# Altium PCB gaze_led_through_hole_daughtercard.PcbDoc (part 2 of 2)
Units mm, origin at the board's own origin, x right, y up, seen from the top; angles counter-clockwise.
Board outline 138 x 51 mm, 4 copper layers (Top Layer, L2, L3, Bottom Layer), stack 1.603 mm thick; 95 components, 89 nets, 297 pads, 441 vias.
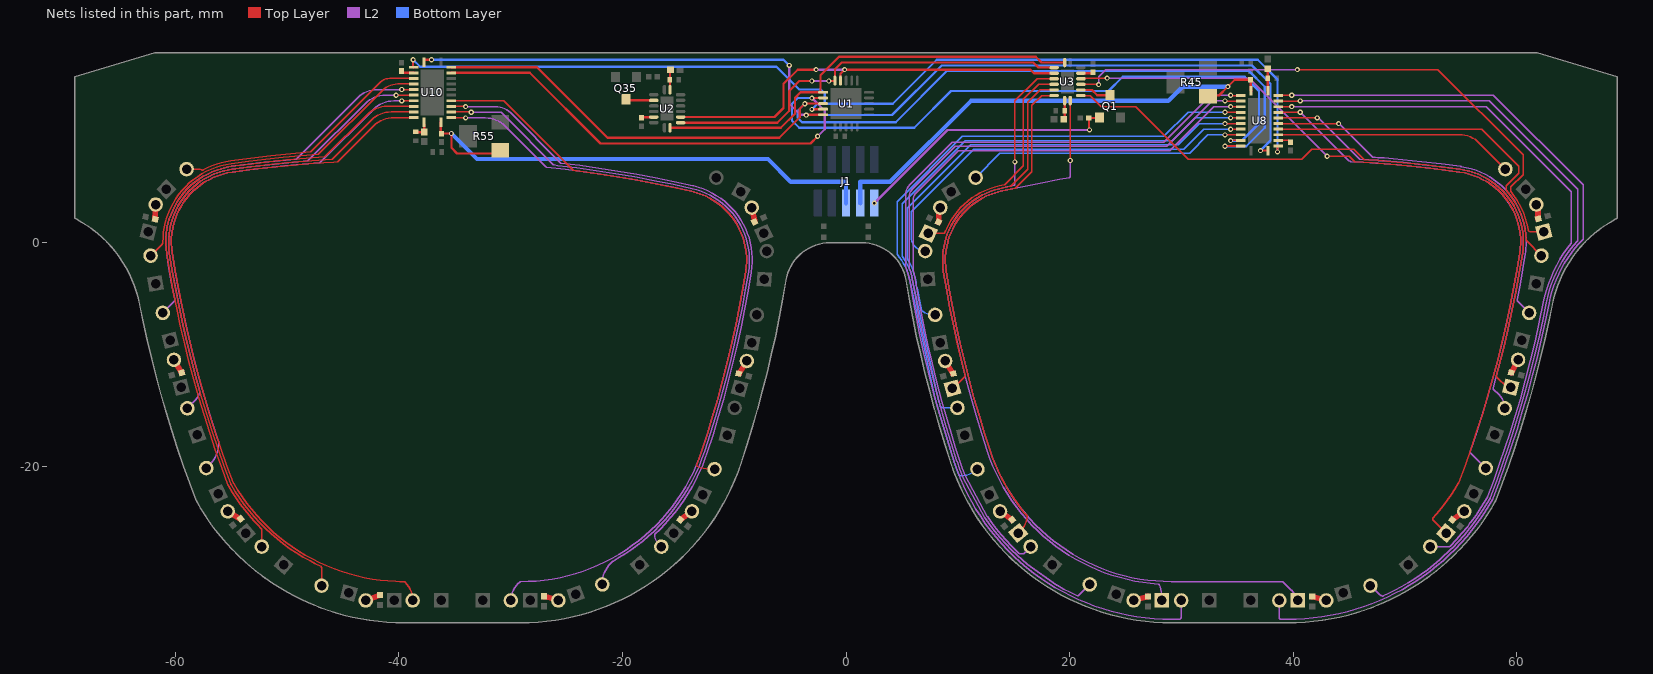
[diagram p4: the nets of this part, all layers, seen from the top]

## Via types
v1: diameter 0.457, hole 0.229, Top Layer to Bottom Layer, tented both sides, 417 vias
v2: diameter 0.457, hole 0.229, Top Layer to Bottom Layer, 20 vias
v3: diameter 0.5, hole 0.2, Top Layer to Bottom Layer, tented both sides, 4 vias

## Nets (pads, with @x,y where several pads share a name; then routed paths per layer and width w, separated by ;. In a path a pad name is that pad's centre, name@x,y a point inside that pad or via, vN(x,y) a via of type N, cw(c..) or ccw(c..) an arc to the next point about the centre after c; other vN are vias at no path point) (continued)
LEFT_NIR_PT_4: Q10.2 U10.5 | length 53.6
  Top Layer w0.127: U10.5@-35.315,12.712 -30.619,12.712 -29.464,11.557 -24.438,6.531 ccw(c-24.003,6.963) -24.416,6.51 ccw(c-24.331,6.604) -24.349,6.479 ; -24.117,6.448 ccw(c-39.064,-106.875) -24.348,6.479 ; Q10.2@-11.763,-20.249 -12.227,-20.249 cw(c-12.227,-17.709) -13.299,-20.012 cw(c-13.245,-19.897) -13.362,-19.849 ccw(c-29.119,-13.224) -12.89,-18.588 ccw(c-111.661,14.057) -10.813,-11.461 ccw(c-111.661,14.057) -8.973,-2.575 ccw(c-15.208,-1.556) -13.812,4.606 -13.823,4.608 ccw(c-39.064,-106.875) -24.349,6.479
LEFT_NIR_PT_5: Q12.2 U10.4 | length 60.8
  Top Layer w0.127: U10.4@-35.315,12.212 -34.084,12.212 cw(c-34.084,12.144) v1(-34.036,12.192)
  L2 w0.127: v1(-34.036,12.192) -31.371,12.192 cw(c-31.371,10.271) -30.013,11.629 -25.519,7.136 cw(c-39.064,-106.875) -13.703,5.102 cw(c-15.208,-1.556) -13.632,5.085 cw(c-15.208,-1.556) -8.47,-2.645 cw(c-111.661,14.057) -12.407,-18.745 cw(c-29.119,-13.224) -17.109,-26.091 ccw(c-15.878,-26.091) -16.749,-26.961 Q12.2@-16.527,-27.184
LEFT_NIR_PT_6: Q14.2 U10.3 | length 65.6
  Top Layer w0.127: U10.3@-35.315,11.712 -33.596,11.712 cw(c-33.596,11.616) v1(-33.528,11.684)
  L2 w0.127: v1(-33.528,11.684) -31.588,11.684 -30.861,11.684 -30.347,11.17 -26.182,7.005 -26.154,6.977 -26.114,6.97 -25.801,6.913 cw(c-39.064,-106.875) -13.758,4.854 cw(c-15.208,-1.556) -8.72,-2.605 ; Q14.2@-21.807,-30.566 -21.807,-30.479 cw(c-19.267,-30.479) -21.063,-28.683 -20.87,-28.49 cw(c-20.781,-28.581) -20.842,-28.469 ccw(c-29.119,-13.224) -17.686,-26.27 ccw(c-29.119,-13.224) -12.648,-18.666 ccw(c-111.661,14.057) -8.721,-2.606
LEFT_NIR_PT_7: Q16.2 U10.2 | length 72.8
  Top Layer w0.127: U10.2@-35.315,11.212 ccw(c-35.228,11.299) -35.228,11.176 v1(-34.036,11.176)
  L2 w0.127: v1(-34.036,11.176) -32.271,11.176 cw(c-32.271,8.636) -30.475,10.432 -26.846,6.803 ; Q16.2@-29.98,-32 cw(c-27.863,-32) -29.36,-30.503 -29.211,-30.354 cw(c-29.122,-30.445) -29.122,-30.318 ccw(c-29.119,-13.224) -22.201,-28.855 ccw(c-29.119,-13.224) -12.889,-18.587 ccw(c-111.661,14.057) -8.971,-2.565 ccw(c-15.208,-1.556) -13.812,4.606 ccw(c-39.064,-106.875) -26.771,6.767 cw(c-26.756,6.893) -26.845,6.802
LEFT_NIR_PT_8: Q3.2 U10.23 | length 69.6
  Top Layer w0.127: Q3.2@-38.77,-32 ccw(c-41.093,-32) -39.453,-30.354 ccw(c-39.543,-30.444) -39.542,-30.317 cw(c-39.524,-12.662) -40.283,-30.301 cw(c-39.524,-12.662) -54.798,-21.518 cw(c-54.522,-21.361) -54.819,-21.472 cw(c40.965,14.979) -60.282,-0.91 cw(c-54.04,0.069) -54.909,6.326 cw(c-39.064,-106.875) -45.814,7.23 -45.502,7.249 ccw(c-45.509,7.376) -45.42,7.285 -42.237,10.468 cw(c-40.441,8.672) -40.441,11.212 U10.23@-38.685,11.212
LEFT_NIR_PT_9: Q5.2 U10.22 | length 62.6
  Top Layer w0.127: Q5.2@-46.927,-30.671 -46.927,-29.14 ccw(c-48.444,-29.14) -46.93,-29.042 ccw(c-47.057,-29.05) -47.003,-28.935 cw(c-39.524,-12.662) -47.951,-28.465 cw(c-39.524,-12.662) -55.019,-21.644 cw(c-54.798,-21.518) -55.021,-21.639 cw(c-54.522,-21.361) -55.057,-21.562 cw(c40.965,14.979) -60.533,-0.945 cw(c-54.04,0.069) -54.949,6.577 cw(c-39.064,-106.875) -45.988,7.474 -42.494,10.968 cw(c-40.698,9.172) -40.698,11.712 U10.22@-38.685,11.712
LEFT_NIR_PT_10: Q7.2 U10.21 | length 57.5
  Top Layer w0.127: Q7.2@-52.07,-26.694 cw(c-52.763,-26.694) Q7.2@-52.273,-27.184 -52.273,-25.652 ccw(c-52.4,-25.653) -52.31,-25.563 cw(c-39.524,-12.662) -52.973,-24.87 cw(c-39.524,-12.662) -55.24,-21.769 cw(c-54.522,-21.361) -55.295,-21.652 cw(c40.965,14.979) -60.784,-0.983 cw(c-54.04,0.069) -54.984,6.829 cw(c-39.064,-106.875) -46.622,7.689 -42.843,11.468 cw(c-41.047,9.672) -41.047,12.212 U10.21@-38.685,12.212
LEFT_NIR_PT_11: Q9.2 U10.20 | length 48.6
  Top Layer w0.127: v1(-39.751,12.7) cw(c-39.722,12.671) -39.722,12.712 U10.20@-38.685,12.712 U10.20@-38.691,12.706
  L2 w0.127: Q9.2@-57.237,-20.149 -56.878,-19.79 ccw(c-58.674,-17.994) -56.134,-17.994 -56.134,-17.831 ; -56.134,-17.83 ccw(c-56.261,-17.832) -56.141,-17.791 -56.214,-17.573 cw(c40.965,14.979) -60.281,-0.911 cw(c-54.04,0.069) -54.915,6.325 ; -54.914,6.325 cw(c-39.064,-106.875) -47.073,7.149 -42.266,11.956 cw(c-40.47,10.16) -40.47,12.7 v1(-39.751,12.7)
LEFT_NIR_PT_12: Q11.2 U10.19 | length 43.6
  Top Layer w0.127: v1(-40.259,13.208) -38.689,13.208 U10.19@-38.685,13.212
  L2 w0.127: Q11.2@-58.934,-14.807 -58.401,-14.274 ccw(c-60.23,-12.446) -57.819,-13.38 ccw(c-57.938,-13.334) -57.815,-13.301 -58.171,-11.993 cw(c40.965,14.979) -60.533,-0.944 cw(c-54.04,0.069) -54.949,6.577 cw(c-39.064,-106.875) -48.14,7.324 -42.999,12.464 cw(c-41.203,10.668) -41.203,13.208 v1(-40.259,13.208)
LEFT_NIR_PT_13: Q13.2 U10.18 | length 35.4
  Top Layer w0.127: v1(-39.751,13.716) -39.747,13.712 U10.18@-38.685,13.712 U10.18@-38.687,13.714
  L2 w0.127: Q13.2@-61.129,-6.273 -60.084,-5.228 ccw(c-60.174,-5.139) -60.05,-5.115 cw(c40.965,14.979) -60.111,-4.806 cw(c40.965,14.979) -60.784,-0.983 cw(c-54.04,0.069) -54.983,6.829 cw(c-39.064,-106.875) -49.183,7.491 -43.701,12.972 cw(c-41.905,11.176) -41.905,13.716 v1(-39.751,13.716)
LEFT_NIR_PT_14: Q15.2 U10.17 | length 30.7
  Top Layer w0.127: Q15.2@-62.221,-1.149 -61.188,-0.117 ccw(c-61.432,0.127) -61.138,-0.054 ccw(c-61.247,0.012) -61.12,0.013 cw(c-54.04,0.069) -55.017,7.08 cw(c-38.419,-111.485) -47.204,7.914 -41.458,13.66 cw(c-40.125,12.327) -40.125,14.212 U10.17@-38.685,14.212
LEFT_NIR_PT_15: Q17.2 U10.16 | length 23.2
  Top Layer w0.127: Q17.2@-59.002,6.598 -58.003,6.598 cw(c-58.003,5.751) -57.641,6.517 ccw(c-57.587,6.632) -57.528,6.52 cw(c-54.04,0.069) -55.051,7.332 cw(c-37.41,-118.69) -47.877,8.13 -41.616,14.391 cw(c-40.841,13.615) -40.841,14.712 U10.16@-38.685,14.712
LEFT_NIR_PT_OUTPUT: J1.5 R54.1 R55.1 U10.1 | length 47
  Top Layer w0.203: R54.1@-36.316,9.779 -36.25,9.845 U10.1@-36.25,10.777 ; R54.1@-36.195,9.773 -35.306,9.773 -35.306,8.509 -34.798,8.001 -31.283,8.001 R55.1@-30.882,8.402
  Bottom Layer w0.381: v1(-35.306,9.779) -33.02,7.493 -6.985,7.493 -4.953,5.461 0,5.461 J1.5@0,3.55
MUX_LED_S0: U1.9 U2.11 U3.11 | length 37.7
  Top Layer w0.203: U2.11@-14.8,11.25 -6.403,11.25 -5.588,12.065 -5.588,14.224 -4.318,15.494 v1(-2.667,15.494) ; U1.9@-0.492,14.514 -0.492,15.129 v1(-0.127,15.494) 16.51,15.494 16.825,15.179 U3.11@18.616,15.179
  L2 w0.203: v1(-2.667,15.494) v1(-0.127,15.494)
MUX_LED_S1: U1.10 U2.10 U3.10 | length 37.5
  Top Layer w0.203: U2.10@-14.8,10.75 -6.141,10.75 -5.08,11.811 -5.08,13.589 -4.191,14.478 v1(-3.048,14.478) ; v1(-1.524,14.478) -1.014,14.478 -0.992,14.5 U1.10@-0.992,14.514 -0.987,14.519 -0.987,15.523 -0.381,16.129 16.764,16.129 17.214,15.679 U3.10@18.616,15.679
  L2 w0.203: v1(-3.048,14.478) v1(-1.524,14.478)
MUX_LED_S2: U1.11 U2.9 U3.9 | length 40.1
  Top Layer w0.203: U2.9@-15.75,10.3 -5.829,10.3 -4.572,11.557 -4.572,12.954 -4.062,13.464 U1.11@-2.264,13.464 ; U1.11@-2.042,13.464 U1.11@-2.264,13.464 ; U3.9@19.566,16.129 17.485,16.129 16.977,16.637 -0.635,16.637 -2.286,14.986 -2.286,13.486 U1.11@-2.264,13.464
MUX_PT_S0: U1.12 U8.10 U10.10 | length 95.8
  Top Layer w0.127: v1(34.417,9.144) 34.431,9.158 35.301,9.158 U8.10@35.315,9.172
  Top Layer w0.203: U10.10@-35.315,15.212 -28.293,15.212 -21.971,8.89 -3.175,8.89 v1(-2.534,9.531) ; v1(-3.048,12.954) -3.043,12.959 -2.047,12.959 U1.12@-2.042,12.964
  L2 w0.203: v1(-3.048,12.954) -1.905,11.811 -1.905,10.16 v1(-2.534,9.531)
  Bottom Layer w0.203: v1(-3.048,12.954) -4.318,12.954 -4.826,12.446 -4.826,10.922 -4.191,10.287 6.096,10.287 9.398,13.589 23.495,13.589 24.765,14.859 35.687,14.859 36.957,13.589 36.957,10.668 35.433,9.144 v1(34.417,9.144)
MUX_PT_S1: U1.13 U8.11 U10.11 | length 92.9
  Top Layer w0.127: v1(33.909,8.636) v1@33.927,8.654 ; U8.11@35.297,8.654 U8.11@35.315,8.672
  Top Layer w0.203: U10.11@-35.315,15.712 -27.65,15.712 -21.336,9.398 -5.969,9.398 -4.14,11.227 -4.14,11.989 v1(-3.683,12.446) -3.674,12.455 -2.051,12.455 U1.13@-2.042,12.464 ; v1@33.927,8.654 U8.11@35.297,8.654
  Bottom Layer w0.203: v1(-3.683,12.446) -4.318,11.811 -4.318,11.176 -3.937,10.795 4.445,10.795 9.017,15.367 36.068,15.367 37.465,13.97 37.465,10.287 35.814,8.636 v1(33.909,8.636)
MUX_PT_S2: U1.14 U8.14 U10.14 | length 92
  Top Layer w0.127: U8.14@38.608,8.605 38.674,8.672 U8.14@38.685,8.672
  Top Layer w0.203: v1(-38.735,16.383) -38.735,15.74 -38.707,15.712 U10.14@-38.685,15.712 ; v1(-3.048,11.938) -3.031,11.955 -2.051,11.955 U1.14@-2.042,11.964 ; v1(38.608,8.128) U8.14@38.608,8.605
  Bottom Layer w0.203: v1(-38.735,16.383) -38.1,15.748 -6.223,15.748 -4.191,13.716 -2.286,13.716 -1.905,13.335 -1.905,12.446 ; v1(-3.048,11.938) -2.54,12.446 -1.905,12.446 ; v1(38.608,8.128) 38.608,14.605 36.83,16.383 8.128,16.383 4.191,12.446 -1.905,12.446
MUX_PT_S3: U1.15 U8.13 U10.13 | length 91.1
  Top Layer w0.127: U8.13@37.732,8.255 U8.13@37.75,8.237
  Top Layer w0.203: U10.13@-37.75,16.147 -37.75,16.355 -37.722,16.383 v1(-37.084,16.383) ; v1(-3.556,11.43) -3.531,11.455 -2.051,11.455 U1.15@-2.042,11.464 ; v1(37.084,8.255) U8.13@37.732,8.255
  L2 w0.203: v1(-5.08,15.875) -5.08,12.446 -4.089,11.455 -3.581,11.455 v1(-3.556,11.43)
  Bottom Layer w0.203: v1(-37.084,16.383) -5.588,16.383 v1(-5.08,15.875) ; v1(-3.556,11.43) 4.115,11.43 8.56,15.875 36.322,15.875 37.973,14.224 37.973,9.144 v1(37.084,8.255)
NetC2_1: C2.1 FB1.2 U3.16 | length 1.7
  Top Layer w0.203: FB1.2@19.479,11.049 19.566,11.136 U3.16@19.566,12.729
NetC9_1: C9.1 FB8.2 U8.24 | length 1.9
  Top Layer w0.203: FB8.2@37.646,15.494 37.725,15.415 C9.1@37.725,14.732 37.737,14.72 37.737,13.62 U8.24@37.75,13.607
NetC12_1: C12.1 FB9.2 U10.24 | length 1.6
  Top Layer w0.203: C12.1@-38.46,9.884 -37.904,9.884 FB9.2@-37.719,9.906 -37.726,10.112 -37.726,10.449 U10.24@-37.75,10.777
NetC13_1: C13.1 FB10.2 U2.16 | length 1.8
  Top Layer w0.203: U2.16@-15.75,13.7 -15.75,14.605 -15.75,15.46 FB10.2@-15.716,15.494
NetD1_2: D1.2 R46.2 | length 1.3
  Top Layer w0.508: D1.2@-8.437,3.151 -8.176,1.952 -8.166,1.905 R46.2@-8.176,1.877
NetD2_2: D2.2 R47.2 | length 1.3
  Top Layer w0.508: R47.2@-9.579,-11.695 -9.553,-11.68 D2.2@-8.871,-10.573
NetD3_2: D3.2 R48.2 | length 1.3
  Top Layer w0.508: R48.2@-14.835,-24.782 -14.805,-24.78 D3.2@-13.784,-24.027
NetD4_2: D4.2 R49.2 | length 1.3
  Top Layer w0.508: R49.2@-27.005,-31.623 -26.984,-31.644 D4.2@-25.73,-32
NetD5_2: D5.2 R50.2 | length 1.4
  Top Layer w0.508: D5.2@-42.97,-32 -41.708,-31.534 R50.2@-41.687,-31.513
NetD6_2: D6.2 R51.2 | length 1.3
  Top Layer w0.508: D6.2@-55.316,-24.027 -54.198,-24.692 R51.2@-54.169,-24.695
NetD7_2: D7.2 R52.2 | length 1.3
  Top Layer w0.508: D7.2@-60.129,-10.473 -59.47,-11.595 R52.2@-59.444,-11.61
NetD8_2: D8.2 R53.2 | length 1.3
  Top Layer w0.508: R53.2@-61.804,2.099 -61.818,2.125 D8.2@-61.771,3.427
NetD9_2: D9.2 R31.2 | length 1.4
  Top Layer w0.508: R31.2@8.282,1.842 8.31,1.87 8.31,3.024 D9.2@8.437,3.151
NetD10_2: D10.2 R32.2 | length 1.3
  Top Layer w0.508: D10.2@8.871,-10.573 9.553,-11.68 R32.2@9.579,-11.695
NetD11_2: D11.2 R33.2 | length 1.3
  Top Layer w0.508: D11.2@13.784,-24.027 14.836,-24.774 R33.2@14.866,-24.777
NetD12_2: D12.2 R34.2 | length 1.3
  Top Layer w0.508: D12.2@25.73,-32 26.991,-31.658 R34.2@27.012,-31.637
NetD13_2: D13.2 R35.2 | length 1.3
  Top Layer w0.508: R35.2@41.714,-31.655 41.735,-31.676 D13.2@42.97,-32
NetD14_2: D14.2 R37.2 | length 1.3
  Top Layer w0.508: R37.2@54.251,-24.788 54.28,-24.786 D14.2@55.316,-24.027
NetD15_2: D15.2 R38.2 | length 1.3
  Top Layer w0.508: R38.2@59.528,-11.606 59.554,-11.591 D15.2@60.129,-10.473
NetD16_2: D16.2 R39.2 | length 1.3
  Top Layer w0.508: D16.2@61.771,3.427 cw(c61.407,3.062) 61.922,3.062 R39.2@61.922,2.17
NetQ1_3: Q1.3 U3.3 | length 2.8
  Top Layer w0.203: U3.3@21.016,13.679 22.008,13.679 22.479,13.208 Q1.3@23.622,13.208
NetQ35_3: Q35.3 U2.3 | length 2.5
  Top Layer w0.203: Q35.3@-19.685,12.843 -19.592,12.75 U2.3@-17.2,12.75
NetR1_1: R1.1 U3.6 | length 1.2
  Top Layer w0.203: U3.6@21.016,15.179 22.098,15.179 R1.1@22.098,15.252
NetR36_2: R36.2 U8.15 | length 1.1
  Top Layer w0.127: U8.15@38.685,9.172 39.59,9.172 R36.2@39.751,9.011
NetR56_1: R56.1 U2.6 | length 1.1
  Top Layer w0.203: R56.1@-18.288,11.176 -18.233,11.231 -17.219,11.231 U2.6@-17.2,11.25
NetR57_2: R57.2 U10.15 | length 1.1
  Top Layer w0.203: R57.2@-39.751,15.373 -39.751,15.348 -39.615,15.212 U10.15@-38.685,15.212
RIGHT_NIR_LED_0: D9.1 U3.13 | length 20.3
  Top Layer w0.127: D9.1@7.363,0.849 8.733,0.849 ccw(c8.733,0.976) 8.851,0.929 ; 8.851,0.929 cw(c15.208,-1.556) 8.994,1.269 cw(c15.208,-1.556) 13.714,5.104 cw(c39.372,-108.236) 14.195,5.212 15.875,6.892 15.875,12.827 17.227,14.179 U3.13@18.616,14.179
RIGHT_NIR_LED_1: D10.1 U3.14 | length 33
  Top Layer w0.127: D10.1@9.529,-13.027 10.013,-12.569 ccw(c9.98,-12.446) 10.07,-12.536 10.621,-11.985 ccw(c10.531,-11.896) 10.654,-11.865 cw(c111.661,14.057) 9.975,-9.059 cw(c111.661,14.057) 8.72,-2.601 cw(c15.208,-1.556) 13.768,4.856 cw(c39.372,-108.236) 14.719,5.067 16.256,6.604 16.256,12.573 17.362,13.679 U3.14@18.616,13.679
RIGHT_NIR_LED_2: D11.1 U3.15 | length 46.3
  Top Layer w0.127: D11.1@15.416,-25.973 15.81,-25.53 ccw(c13.834,-24.13) 16.225,-24.513 ccw(c16.1,-24.495) 16.196,-24.412 cw(c29.119,-13.224) 15.652,-23.75 cw(c29.119,-13.224) 12.889,-18.587 cw(c111.661,14.057) 8.971,-2.561 cw(c15.208,-1.556) 13.814,4.606 cw(c39.064,-106.874) 15.161,4.903 ccw(c15.134,5.027) 15.221,4.934 ccw(c14.402,5.791) 15.24,4.953 16.637,6.35 16.637,12.319 17.497,13.179 U3.15@18.616,13.179
RIGHT_NIR_LED_3: D12.1 U3.12 | length 61.8
  Top Layer w0.127: v1(15.113,7.239) 15.113,12.7 17.092,14.679 U3.12@18.616,14.679
  L2 w0.127: v1(15.113,7.239) 15.113,5.207 cw(c14.986,5.208) 15.098,5.149 ccw(c39.064,-106.874) 13.758,4.854 ccw(c15.208,-1.556) 8.72,-2.601 ccw(c111.661,14.057) 12.643,-18.651 ccw(c29.119,-13.224) 26.552,-30.38 ccw(c29.119,-13.224) 27.916,-30.53 ; 27.917,-30.53 cw(c27.907,-30.656) 28.02,-30.599 cw(c25.799,-31.682) 28.255,-31.413 D12.1@28.27,-32
RIGHT_NIR_LED_4: D13.1 U3.1 | length 72.8
  Top Layer w0.127: v1(20.066,7.366) U3.1@20.066,12.729
  L2 w0.127: v1(20.066,7.366) 20.066,5.918 19.992,5.844 19.961,5.825 19.141,5.68 ccw(c39.064,-106.874) 13.813,4.606 ccw(c15.208,-1.556) 8.971,-2.562 ccw(c111.661,14.057) 12.889,-18.587 ccw(c29.119,-13.224) 29.119,-30.318 39.028,-30.318 cw(c39.027,-30.445) 39.097,-30.338 39.099,-30.34 cw(c39.029,-30.446) 39.119,-30.356 39.859,-31.096 ; 39.86,-31.097 cw(c39.769,-31.185) 39.866,-31.103 40.109,-31.391 cw(c40.011,-31.473) D13.1@40.124,-31.413 ; D13.1@40.124,-31.413 D13.1@40.43,-32
RIGHT_NIR_LED_5: D14.1 U3.5 | length 74.2
  Top Layer w0.127: U3.5@21.016,14.679 21.043,14.706 23.342,14.706 v1(23.368,14.732) ; v1(43.053,7.747) 45.019,7.747 45.519,7.247 cw(c39.064,-106.874) 54.915,6.325 cw(c54.04,0.069) 60.281,-0.913 cw(c-40.965,14.979) 54.819,-21.474 cw(c54.522,-21.361) 54.796,-21.522 cw(c39.524,-12.662) 53.078,-23.976 cw(c39.524,-12.662) 52.512,-24.622 ccw(c52.606,-24.707) 52.505,-24.785 ccw(c53.184,-24.257) 52.577,-24.866 52.941,-25.23 D14.1@53.684,-25.973
  L2 w0.127: v1(23.368,14.732) 36.068,14.732 v1(43.053,7.747)
RIGHT_NIR_LED_6: D15.1 U3.2 | length 60.4
  Top Layer w0.127: U3.2@21.016,13.179 21.873,13.179 22.86,12.192 25.908,12.192 30.607,7.493 40.767,7.493 41.656,8.382 45.43,8.382 46.36,7.451 cw(c39.064,-106.874) 48.792,7.27 cw(c39.064,-106.874) 54.949,6.577 cw(c54.04,0.069) 60.532,-0.951 cw(c-40.965,14.979) 58.46,-10.91 cw(c-40.965,14.979) 58.201,-11.883 ccw(c58.324,-11.916) 58.233,-12.005 58.506,-12.278 ccw(c58.595,-12.188) 58.508,-12.28 58.904,-12.659 ccw(c58.992,-12.567) 58.939,-12.682 D15.1@59.471,-12.927
RIGHT_NIR_LED_7: D16.1 U3.4 | length 53.2
  Top Layer w0.127: U3.4@21.016,14.179 21.028,14.167 22.596,14.167 v1(22.608,14.155) ; v1(40.386,15.494) 52.959,15.494 60.579,7.874 60.579,6.096 59.486,5.003 59.486,4.592 cw(c54.04,0.069) 60.914,1.765 cw(c54.04,0.069) 61.04,1.129 ccw(c61.165,1.149) 61.107,1.036 ccw(c61.37,1.553) 61.37,0.973 61.788,0.973 ccw(c61.787,1.1) 61.82,0.978 62.088,0.973 D16.1@62.429,0.973
  L2 w0.127: v1(22.608,14.155) 22.608,14.861 23.241,15.494 v1(40.386,15.494)
  Bottom Layer w0.203: D16.1@62.429,0.973 D16.1@62.738,1.283
RIGHT_NIR_LED_ON: J1.1 Q1.1 R2.2 | length 24
  Top Layer w0.203: v2(21.788,10.096) 21.749,10.135 21.749,11.138 R2.2@21.711,11.176 22.64,11.176 Q1.1@22.672,11.208
  L2 w0.203: v2(2.54,3.556) 9.08,10.096 v2(21.788,10.096)
RIGHT_NIR_PT_0: Q18.2 U8.9 | length 25.3
  Top Layer w0.127: v1(33.909,9.652) cw(c33.957,9.604) 33.957,9.672 U8.9@35.315,9.672
  Bottom Layer w0.127: Q18.2@11.6,5.835 13.766,8.001 30.734,8.001 32.385,9.652 v1(33.909,9.652)
RIGHT_NIR_PT_1: Q20.2 U8.8 | length 36.8
  Top Layer w0.127: v1(34.417,10.16) 35.286,10.16 ccw(c35.286,10.201) U8.8@35.315,10.172
  Bottom Layer w0.127: Q20.2@7.089,-0.735 7.085,-0.735 cw(c7.085,0.508) 5.842,0.508 5.842,2.794 11.43,8.382 30.226,8.382 32.004,10.16 v1(34.417,10.16)
RIGHT_NIR_PT_2: Q22.2 U8.7 | length 43.6
  Top Layer w0.127: v1(33.909,10.668) 35.311,10.668 U8.7@35.315,10.672
  Bottom Layer w0.127: Q22.2@7.979,-6.449 7.943,-6.449 cw(c7.943,-4.376) 6.848,-6.136 cw(c6.916,-6.029) 6.792,-6.057 6.703,-5.639 6.355,-4.016 6.352,-4.003 6.301,-3.766 ccw(c4.143,-3.766) 6.124,-2.91 cw(c6.241,-2.86) 6.117,-2.891 ccw(c1.421,-4) 5.499,-1.42 5.499,3.086 11.176,8.763 29.718,8.763 31.623,10.668 v1(33.909,10.668)
RIGHT_NIR_PT_3: Q24.2 U8.6 | length 53.7
  Top Layer w0.127: v1(34.417,11.176) 35.311,11.176 U8.6@35.315,11.172
  Bottom Layer w0.127: 8.462,-14.664 8.571,-14.773 Q24.2@9.971,-14.773 ; 8.462,-14.664 cw(c8.552,-14.575) 8.43,-14.609 cw(c111.661,14.057) 8.325,-14.228 cw(c8.448,-14.197) 8.324,-14.226 ccw(c7.953,-14.311) 8.32,-14.21 8.238,-13.908 8.155,-13.601 cw(c8.278,-13.568) 8.154,-13.594 6.544,-6.11 5.933,-3.26 cw(c6.057,-3.232) 5.932,-3.254 ccw(c1.421,-4) 5.038,-1.204 5.038,3.514 10.668,9.144 29.21,9.144 31.242,11.176 v1(34.417,11.176)
RIGHT_NIR_PT_4: Q26.2 U8.5 | length 61.2
  Top Layer w0.127: v1(33.909,11.684) ccw(c33.938,11.713) 33.938,11.672 U8.5@35.315,11.672
  Bottom Layer w0.127: 5.682,-3.301 ccw(c5.807,-3.28) 5.683,-3.306 7.885,-13.573 ; 5.682,-3.3 ccw(c1.421,-4) 4.567,-1.043 4.567,3.678 10.414,9.525 28.448,9.525 30.607,11.684 v1(33.909,11.684) ; 7.885,-13.573 ccw(c8.134,-13.52) 7.888,-13.584 ccw(c111.661,14.057) 7.911,-13.67 8.076,-14.278 cw(c7.953,-14.311) 8.077,-14.283 ccw(c8.325,-14.228) 8.079,-14.293 ccw(c111.661,14.057) 8.205,-14.75 ccw(c8.572,-14.646) 8.207,-14.756 9.494,-19.03 ccw(c9.616,-18.994) 9.495,-19.033 ccw(c111.661,14.057) 9.69,-19.629 ccw(c29.119,-13.224) 10.095,-20.749 ccw(c10.213,-20.701) 10.212,-20.828 10.365,-20.828 ccw(c10.365,-18.851) Q26.2@11.763,-20.249
RIGHT_NIR_PT_5: Q28.2 U8.4 | length 68.1
  Top Layer w0.127: v1(34.417,12.192) ccw(c34.465,12.24) 34.465,12.172 U8.4@35.315,12.172
  L2 w0.127: Q28.2@16.527,-27.184 15.898,-27.813 15.561,-27.813 cw(c15.562,-27.686) 15.475,-27.779 cw(c29.119,-13.224) 14.802,-27.118 14.801,-27.116 cw(c29.119,-13.224) 12.663,-24.503 cw(c12.769,-24.432) 12.658,-24.494 10.685,-20.85 cw(c10.797,-20.791) 10.68,-20.84 cw(c29.119,-13.224) 10.176,-19.482 cw(c111.661,14.057) 9.042,-15.831 cw(c111.661,14.057) 7.316,-9.099 7.093,-8.067 cw(c111.661,14.057) 6.19,-3.26 ccw(c5.599,-3.26) 6.156,-3.062 cw(c6.276,-3.021) 6.152,-3.047 ccw(c1.421,-4) 6.003,-2.487 6.003,3.835 cw(c6.947,3.835) 6.28,4.502 10.033,8.255 28.956,8.255 32.893,12.192 v1(34.417,12.192)
RIGHT_NIR_PT_6: Q30.2 U8.3 | length 75.8
  Top Layer w0.127: v1(33.909,12.7) ccw(c33.977,12.768) 33.977,12.672 U8.3@35.315,12.672
  L2 w0.127: 9.931,-19.548 cw(c111.661,14.057) 5.936,-3.28 5.932,-3.259 ccw(c1.421,-4) 5.658,-2.282 5.658,4.121 cw(c6.607,4.121) 5.936,4.793 9.779,8.636 28.702,8.636 32.766,12.7 v1(33.909,12.7) ; 9.931,-19.549 9.934,-19.56 ccw(c29.119,-13.224) 10.446,-20.939 ccw(c10.797,-20.791) 10.462,-20.971 12.434,-24.615 ccw(c12.769,-24.432) 12.454,-24.646 ccw(c29.119,-13.224) 15.304,-27.967 ccw(c15.562,-27.686) 15.309,-27.971 16.211,-28.767 ccw(c16.295,-28.672) 16.222,-28.776 18.871,-30.636 ; 18.871,-30.636 ccw(c18.943,-30.532) 18.879,-30.641 ccw(c29.119,-13.224) 20.676,-31.58 ccw(c20.729,-31.464) 20.818,-31.555 Q30.2@21.807,-30.566
RIGHT_NIR_PT_7: Q32.2 U8.2 | length 86.5
  Top Layer w0.127: v1(34.417,13.208) ccw(c34.504,13.295) 34.504,13.172 U8.2@35.315,13.172
  L2 w0.127: Q32.2@29.98,-32 29.98,-33.456 cw(c29.519,-33.456) 29.959,-33.594 cw(c29.838,-33.556) 29.839,-33.683 29.119,-33.683 cw(c29.119,-13.224) 10.531,-21.769 cw(c29.119,-13.224) 9.694,-19.643 cw(c111.661,14.057) 5.682,-3.301 5.681,-3.299 ccw(c1.421,-4) 5.335,-2.176 5.335,4.335 cw(c6.52,4.335) 5.682,5.174 9.525,9.017 28.448,9.017 32.639,13.208 v1(34.417,13.208)
RIGHT_NIR_PT_8: Q19.2 U8.23 | length 85
  Top Layer w0.127: U8.23@38.685,13.172 38.703,13.19 39.86,13.19 v1(39.878,13.208)
  L2 w0.127: Q19.2@38.77,-32 38.77,-33.556 ccw(c38.897,-33.556) 38.897,-33.683 39.524,-33.683 ccw(c39.524,-12.662) 48.432,-31.702 ccw(c39.524,-12.662) 56.005,-25.71 ccw(c39.524,-12.662) 57.857,-22.947 ccw(c57.746,-22.885) 57.864,-22.931 ccw(c-40.965,14.979) 62.901,-5.424 cw(c74.006,-7.608) 65.942,0.333 65.942,5.178 57.912,13.208 v1(39.878,13.208)
RIGHT_NIR_PT_9: Q21.2 U8.22 | length 73.8
  Top Layer w0.127: U8.22@38.685,12.672 38.699,12.686 40.626,12.686 v1(40.64,12.7)
  L2 w0.127: v1(40.64,12.7) 57.531,12.7 65.454,4.777 65.454,0.187 ccw(c74.006,-7.608) 62.652,-5.372 ; Q21.2@46.927,-30.671 47.697,-31.442 ccw(c48.133,-31.008) 47.972,-31.602 ccw(c48.005,-31.479) 48.056,-31.595 ccw(c39.524,-12.662) 49.076,-31.101 ccw(c39.524,-12.662) 53.129,-28.351 ccw(c53.047,-28.255) 53.133,-28.348 54.219,-27.335 ccw(c53.959,-27.057) 54.227,-27.327 ccw(c39.524,-12.662) 55.809,-25.548 ccw(c55.609,-25.392) 55.82,-25.533 cw(c55.925,-25.604) 55.825,-25.526 56.118,-25.148 ccw(c55.817,-24.914) 56.12,-25.145 ccw(c39.524,-12.662) 57.025,-23.842 ; 57.029,-23.834 57.625,-22.841 ccw(c57.516,-22.776) 57.634,-22.822 ccw(c-40.965,14.979) 62.652,-5.374
RIGHT_NIR_PT_10: Q23.2 U8.21 | length 65.4
  Top Layer w0.127: U8.21@38.685,12.172 38.695,12.182 39.868,12.182 v1(39.878,12.192)
  L2 w0.127: v1(39.878,12.192) 57.277,12.192 64.897,4.572 64.897,-0.029 ccw(c74.2,-7.646) 62.404,-5.316 cw(c-40.965,14.979) 60.308,-14.019 cw(c-40.965,14.979) 57.411,-22.694 cw(c57.293,-22.648) 57.402,-22.712 56.812,-23.703 cw(c56.702,-23.638) 56.81,-23.706 cw(c39.524,-12.662) 55.918,-24.991 cw(c55.817,-24.914) 55.891,-25.017 55.849,-25.048 ccw(c55.923,-25.151) 55.818,-25.08 55.609,-25.392 cw(c39.524,-12.662) 54.048,-27.147 cw(c53.959,-27.057) 53.96,-27.184 Q23.2@52.273,-27.184
RIGHT_NIR_PT_11: Q25.2 U8.20 | length 48.5
  Top Layer w0.127: U8.20@38.685,11.672 38.691,11.678 40.634,11.678 v1(40.64,11.684)
  L2 w0.127: v1(40.64,11.684) 44.951,7.373 ccw(c45.213,7.635) 45.171,7.267 ccw(c45.184,7.393) 45.176,7.266 cw(c39.064,-106.874) 45.213,7.264 cw(c39.064,-106.874) 47.381,7.127 cw(c39.064,-106.874) 47.597,7.111 ; 47.625,7.112 cw(c47.606,7.238) 47.597,7.111 ; Q25.2@57.237,-20.149 55.875,-18.787 cw(c55.964,-18.697) 55.844,-18.656 ccw(c-40.965,14.979) 56.373,-17.092 ccw(c-40.965,14.979) 60.28,-0.92 ccw(c54.04,0.069) 54.915,6.325 ccw(c39.064,-106.874) 51.035,6.801 ccw(c39.064,-106.874) 47.597,7.111
RIGHT_NIR_PT_12: Q27.2 U8.19 | length 42.8
  Top Layer w0.127: U8.19@38.685,11.172 38.687,11.174 39.876,11.174 39.878,11.176 v1(42.164,11.176)
  L2 w0.127: v1(42.164,11.176) cw(c42.164,10.898) 42.361,11.094 45.981,7.475 cw(c39.064,-106.874) 47.595,7.366 ccw(c47.603,7.492) 47.61,7.366 cw(c47.625,7.112) 47.678,7.36 ccw(c47.703,7.485) 47.692,7.358 cw(c39.064,-106.874) 47.86,7.346 ccw(c47.869,7.472) 47.868,7.345 48.154,7.345 cw(c37.081,-121.034) 54.949,6.577 cw(c54.04,0.069) 60.532,-0.95 cw(c-40.965,14.979) 58.802,-9.555 cw(c-40.965,14.979) 57.899,-12.976 ccw(c58.021,-13.01) 57.93,-13.099 ; 57.931,-13.1 58.437,-13.606 cw(c57.237,-14.807) Q27.2@58.934,-14.807
RIGHT_NIR_PT_13: Q29.2 U8.18 | length 34.2
  Top Layer w0.127: U8.18@38.685,10.672 38.689,10.668 v1(44.069,10.668)
  L2 w0.127: v1(44.069,10.668) cw(c44.069,10.558) 44.147,10.636 47.128,7.654 cw(c39.064,-106.874) 47.599,7.62 ccw(c47.608,7.747) 47.611,7.62 cw(c47.625,7.112) 47.715,7.612 ccw(c47.737,7.737) 47.726,7.611 cw(c39.064,-106.874) 47.869,7.6 ccw(c47.878,7.726) 47.877,7.599 48.153,7.599 cw(c48.154,7.345) 48.174,7.598 cw(c37.081,-121.034) 49.792,7.449 cw(c37.081,-121.034) 54.983,6.829 cw(c54.04,0.069) 55.07,6.816 cw(c54.04,0.069) 60.834,-0.594 cw(c54.04,0.069) 60.783,-0.989 cw(c-40.965,14.979) 60.049,-5.116 ccw(c60.174,-5.139) 60.084,-5.228 Q29.2@61.129,-6.273
RIGHT_NIR_PT_14: Q31.2 U8.17 | length 32.4
  Top Layer w0.127: U8.17@38.685,10.172 56.884,10.172 60.198,6.858 60.198,6.241 59.055,5.098 59.055,4.699 cw(c54.04,0.069) 59.518,4.141 ; 59.518,4.141 cw(c54.04,0.069) 60.067,3.273 cw(c54.04,0.069) 60.863,0.256 ccw(c60.99,0.261) 60.9,0.172 Q31.2@62.221,-1.149
RIGHT_NIR_PT_15: Q33.2 U8.16 | length 21.5
  Top Layer w0.127: U8.16@38.685,9.672 54.876,9.672 cw(c54.876,7.132) 56.672,8.928 Q33.2@59.002,6.598
RIGHT_NIR_PT_OUTPUT: J1.3 R44.1 R45.1 U8.1 | length 43.8
  Top Layer w0.203: R45.1@32.385,13.121 32.442,13.178 33.371,13.178 v1(34.163,13.97) 34.784,14.591 R44.1@36.209,14.591 36.222,14.578 36.222,13.635 U8.1@36.25,13.607
  Bottom Layer w0.381: J1.3@1.27,3.55 1.27,5.461 3.937,5.461 11.176,12.7 28.829,12.7 30.099,13.97 v1(34.163,13.97)
pads on no net: R45.3 R55.3 U1.5 U1.6 U1.7 U1.8 U1.16

## Polygon pours and split planes (outlines as drawn)
GND on L3 "GND_L03_P000" (solid, remove dead copper, pour order 0): -58.149,-23.074 ccw(c-39.524,-12.662) -39.524,-34 -29.119,-34 ccw(c-29.119,-13.224) -9.393,-19.744 ccw(c-111.661,14.057) -5.369,-3.353 cw(c-1.421,-4) -1.421,0 1.421,0 cw(c1.421,-4) 5.369,-3.353 ccw(c111.661,14.057) 9.393,-19.744 ccw(c29.119,-13.224) 29.119,-34 39.524,-34 ccw(c39.524,-12.662) 58.149,-23.074 ccw(c-40.965,14.979) 63.212,-5.487 cw(c74.006,-7.608) 68.903,2.137 69,2.188 69,14.84 61.852,17 -61.852,17 -69,14.84 -69,2.188 -68.903,2.137 cw(c-74.006,-7.608) -63.212,-5.487 ccw(c40.965,14.979)
GND on Bottom Layer "GND_L04_P005" (solid, remove dead copper, pour order 5): -58.149,-23.074 ccw(c-39.524,-12.662) -39.524,-34 -29.119,-34 ccw(c-29.119,-13.224) -9.393,-19.744 ccw(c-111.661,14.057) -5.369,-3.353 cw(c-1.421,-4) -1.421,0 1.421,0 cw(c1.421,-4) 5.369,-3.353 ccw(c111.661,14.057) 9.393,-19.744 ccw(c29.119,-13.224) 29.119,-34 39.524,-34 ccw(c39.524,-12.662) 58.149,-23.074 ccw(c-40.965,14.979) 63.212,-5.487 cw(c74.006,-7.608) 68.903,2.137 69,2.188 69,14.84 61.852,17 -61.852,17 -69,14.84 -69,2.188 -68.903,2.137 cw(c-74.006,-7.608) -63.212,-5.487 ccw(c40.965,14.979)
3V3 on Bottom Layer "3V3_L04_P001" (solid, pour order 1): -3.048,8.763 -0.762,8.763 -0.762,6.096 -3.048,6.096
GND on Top Layer "GND_L01_P003" (solid, remove dead copper, pour order 3): -58.149,-23.074 ccw(c-39.524,-12.662) -39.524,-34 -29.119,-34 ccw(c-29.119,-13.224) -9.393,-19.744 ccw(c-111.661,14.057) -5.369,-3.353 cw(c-1.421,-4) -1.421,0 1.421,0 cw(c1.421,-4) 5.369,-3.353 ccw(c111.661,14.057) 9.393,-19.744 ccw(c29.119,-13.224) 29.119,-34 39.524,-34 ccw(c39.524,-12.662) 58.149,-23.074 ccw(c-40.965,14.979) 63.212,-5.487 cw(c74.006,-7.608) 68.903,2.137 69,2.188 69,14.84 61.852,17 -61.852,17 -69,14.84 -69,2.188 -68.903,2.137 cw(c-74.006,-7.608) -63.212,-5.487 ccw(c40.965,14.979)
3V3 on Top Layer "3V3_L01_P002" (solid, pour order 2): -12.065,8.636 -12.065,6.858 -3.81,6.858 -1.143,4.191 -1.143,0.381 1.27,0.381 1.27,8.636
GND on L2 "GND_L02_P004" (solid, remove dead copper, pour order 4): -58.149,-23.074 ccw(c-39.524,-12.662) -39.524,-34 -29.119,-34 ccw(c-29.119,-13.224) -9.393,-19.744 ccw(c-111.661,14.057) -5.369,-3.353 cw(c-1.421,-4) -1.421,0 1.421,0 cw(c1.421,-4) 5.369,-3.353 ccw(c111.661,14.057) 9.393,-19.744 ccw(c29.119,-13.224) 29.119,-34 39.524,-34 ccw(c39.524,-12.662) 58.149,-23.074 ccw(c-40.965,14.979) 63.212,-5.487 cw(c74.006,-7.608) 68.903,2.137 69,2.188 69,14.84 61.852,17 -61.852,17 -69,14.84 -69,2.188 -68.903,2.137 cw(c-74.006,-7.608) -63.212,-5.487 ccw(c40.965,14.979)

## Keep-outs
Keep-Out Layer:
  lines w0.254: -69,2.188 -68.903,2.137 cw(c-74.006,-7.608) -63.212,-5.487 ccw(c40.965,14.979) -58.149,-23.074 ccw(c-39.524,-12.662) -39.524,-34 -29.119,-34 ccw(c-29.119,-13.224) -9.393,-19.744 ccw(c-111.661,14.057) -5.369,-3.353 cw(c-1.421,-4) -1.421,0 1.421,0 cw(c1.421,-4) 5.369,-3.353 ccw(c111.661,14.057) 9.393,-19.744 ccw(c29.119,-13.224) 29.119,-34 39.524,-34 ccw(c39.524,-12.662) 58.149,-23.074 ccw(c-40.965,14.979) 63.212,-5.487 cw(c74.006,-7.608) 68.903,2.137 69,2.188 69,14.84 61.852,17 -61.852,17 -69,14.84 -69,2.188 ; -59.968,-0.862 cw(c-54.04,0.069) -54.872,6.011 cw(c-39.064,-106.875) -13.882,4.296 cw(c-15.208,-1.556) -9.285,-2.515 cw(c-111.661,14.057) -13.191,-18.489 cw(c-29.119,-13.224) -29.119,-30 -39.524,-30 cw(c-39.524,-12.662) -54.522,-21.361 cw(c40.965,14.979) -59.968,-0.862 ; 9.285,-2.515 cw(c15.208,-1.556) 13.882,4.296 cw(c39.064,-106.874) 54.872,6.011 cw(c54.04,0.069) 59.968,-0.862 cw(c-40.965,14.979) 54.522,-21.361 cw(c39.524,-12.662) 39.524,-30 29.119,-30 cw(c29.119,-13.224) 13.191,-18.489 cw(c111.661,14.057) 9.285,-2.515

## Silkscreen, mask and mechanical layers (free items; w line width, h text height)
Top Overlay:
  text "LEFT" at -66.04,9.779 h3.05
  text "RIGHT" at 58.166,9.689 h3.05
  text "ACHING 07/25" at -55.118,7.895 h1.78
Bottom Overlay:
  text "SAMSUNG RESEARCH AMERICA" at 55.88,11.34 h3.05
Mechanical 1:
  lines w0.013: -69,2.188 -69,14.84 -61.852,17 61.852,17 69,14.84 69,2.188 68.903,2.137 ccw(c74.006,-7.608) 63.212,-5.487 cw(c-40.965,14.979) 58.149,-23.074 cw(c39.524,-12.662) 39.524,-34 29.119,-34 cw(c29.119,-13.224) 9.393,-19.744 cw(c111.661,14.057) 5.369,-3.353 ccw(c1.421,-4) 1.421,0 -1.421,0 ccw(c-1.421,-4) -5.369,-3.353 cw(c-111.661,14.057) -9.393,-19.744 cw(c-29.119,-13.224) -29.119,-34 -39.524,-34 cw(c-39.524,-12.662) -58.149,-23.074 cw(c40.965,14.979) -63.212,-5.487 ccw(c-74.006,-7.608) -68.903,2.137 -69,2.188 ; -59.968,-0.862 ccw(c40.965,14.979) -54.522,-21.361 ccw(c-39.524,-12.662) -39.524,-30 -29.119,-30 ccw(c-29.119,-13.224) -13.191,-18.489 ccw(c-111.661,14.057) -9.285,-2.515 ccw(c-15.208,-1.556) -13.882,4.296 ccw(c-39.064,-106.875) -54.872,6.011 ccw(c-54.04,0.069) -59.968,-0.862 ; 9.285,-2.515 cw(c15.208,-1.556) 13.882,4.296 cw(c39.064,-106.875) 54.872,6.011 cw(c54.04,0.069) 59.968,-0.862 cw(c-40.965,14.979) 54.522,-21.361 cw(c39.524,-12.662) 39.524,-30 29.119,-30 cw(c29.119,-13.224) 13.191,-18.489 cw(c111.661,14.057) 9.285,-2.515